# Allegro board BeagleBoard-xM.brd (continued)
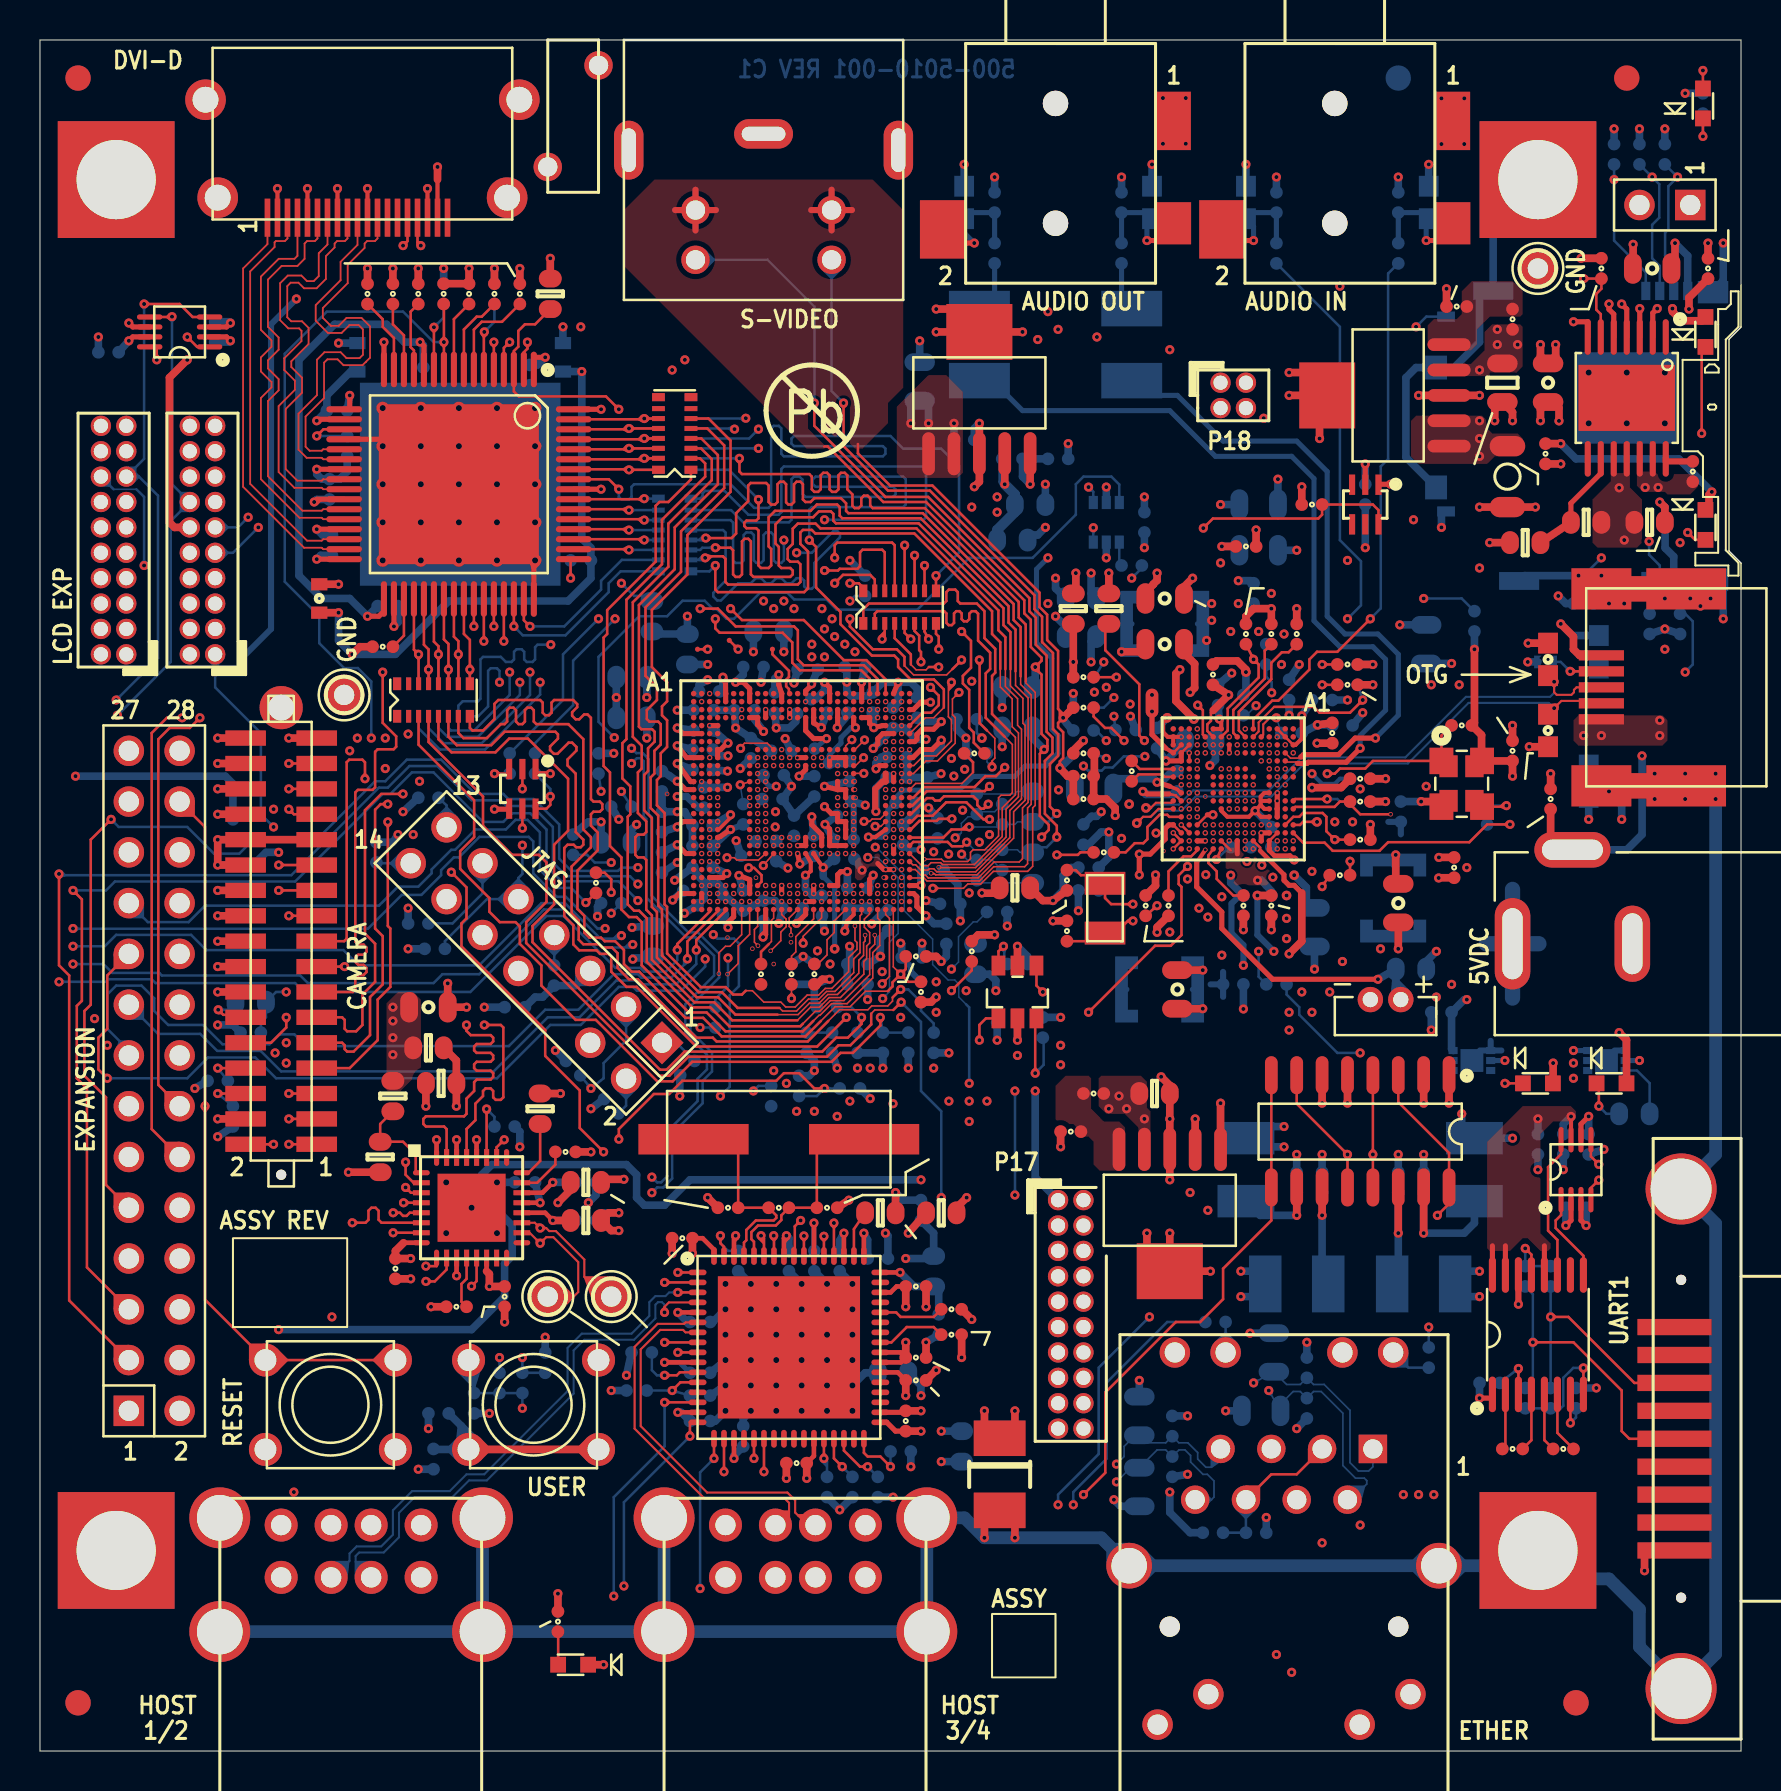
[diagram p0: board, top side]
## Routing (per net, layer and track width the routed paths; a pad name or vN(x,y) marks a point on that pad's centre or on a via; arc(x,y) is an arc through that point) (continued)
EN1_OC1: length 84.6
  TOP w0.127: 67.95,33.81 67.95,32.46 70.48,29.92 U13.16 70.48,27.38 v1(69.9,26.8) ; U15.14 v1(31.24,17.44)
  LYR3-SIG w0.127: v1(69.9,26.8) 67.82,26.8 67.31,26.29 67.31,25.53 68.2,24.64 68.2,21.84 69.72,20.32 v1(69.72,12.83)
  LYR4-SIG w0.127: v1(69.72,12.83) 64.41,7.52 61.49,7.52 57.53,3.56 36.2,3.56 32,7.75 v1(28.7,7.75)
  BOTTOM w0.127: v1(31.24,17.44) 31.24,15.24 28.7,12.7 v1(28.7,7.75)
EN2_OC2: length 79.1
  TOP w0.127: U13.13 v1(66.67,29.84) U13.4 ; U15.16 32.51,16.44 v1(32.51,15.75)
  LYR3-SIG w0.127: v1(66.67,29.84) 66.67,25.4 67.69,24.38 67.69,21.84 69.34,20.19 69.34,13.21 v1(68.96,12.83)
  LYR4-SIG w0.127: v1(68.96,12.83) 68.96,12.57 64.39,8 61.34,8 57.4,4.06 36.32,4.06 32.13,8.25 v1(29.21,8.25)
  BOTTOM w0.127: v1(29.21,8.25) 29.21,12.45 v1(32.51,15.75)
EN3_OC3: length 71.7
  TOP w0.127: U13.7 62.87,32.38 v1(65.41,29.84) U13.12 ; U15.17 v1(33.72,14.63)
  LYR3-SIG w0.127: v1(68.2,12.83) 68.96,13.59 68.96,20.07 67.18,21.84 67.18,24.13 65.41,25.91 v1(65.41,29.84)
  LYR4-SIG w0.127: v1(68.2,12.83) 68.2,12.32 64.39,8.51 55.75,8.51 54.99,7.75 42.93,7.75 42.04,6.86 34.29,6.86 v1(33.02,8.13)
  BOTTOM w0.127: v1(33.02,8.13) 33.02,13.94 v1(33.72,14.63)
EN4_OC4: length 47.2
  TOP w0.127: U15.18 v1(34.22,13.97) ; U13.8 U13.9 61.59,26.54 59.18,24.13 59.18,22.61 58.04,21.46 56.82,21.46 53.29,17.93 53.29,13.92 v1(52.2,12.83)
  LYR3-SIG w0.127: v1(34.22,13.97) 34.22,14.91 34.47,15.16 39.47,15.16 39.73,14.91 46.05,14.91 48.13,12.83 v1(52.2,12.83)
EXP_VDD: length 66.8
  TOP w0.127: v1(57.91,52.32) 58.17,52.07 58.17,50.85 U7.M2
  LYR3-SIG w0.127: v1(53.21,54.48) 56.01,54.48 57.11,53.38 57.11,52.74 57.53,52.32 v1(57.91,52.32)
  LYR4-SIG w0.076: 25.33,48.5 25.69,48.5 27.04,49.85 27.81,49.85 27.91,49.94 27.91,51.02 28.44,51.55 30.78,51.55 31.81,52.58 38.42,52.58 38.86,52.13 40.64,52.13 42.63,54.13
  LYR4-SIG w0.127: 42.63,54.13 43.5,54.99 44.39,54.99 44.68,54.7 45.38,54.7 45.87,55.19 52.5,55.19 v1(53.21,54.48) ; 25.33,48.5 24.74,48.5 24.55,48.31 24.55,47.96 24.3,47.71 23.96,47.71 23.49,48.18 19.3,48.18 19.08,47.96 18.72,47.96 18.35,48.32 17.97,48.32 17.53,47.88 17.27,47.88 16.81,47.42 16.81,46.63 16.19,46.01 11.9,46.01 v1(11.68,46.23)
  BOTTOM w0.127: C124.1 52.83,53.85 v1(53.21,54.48) ; P13.1 8.76,53.21 11.05,50.93 11.05,46.86 v1(11.68,46.23)
GPIO_15: length 37.2
  LYR3-SIG w0.076: 36.4,36.42 36.4,38.28 36.09,38.58 36.09,39.62 36.32,39.85 36.32,40.13 36.69,40.5 36.69,40.93 36.27,41.35 36.27,41.67 36.73,42.13 36.95,42.13 37.1,42.28 v2(37.1,42.5)
  LYR3-SIG w0.127: 36.4,36.42 36.4,35.17 35.78,34.55 35.78,33.65 36.16,33.27 36.16,31.17 37.1,30.23 40.89,30.23 41.53,30.86 44.66,30.86 45.55,29.97 47.03,29.97 47.77,30.71 48.97,30.71 49.38,30.3 49.66,30.3 49.78,30.43 49.78,30.58 49.91,30.71 50.16,30.71 50.29,30.58 50.29,28.96 49.4,28.07 49.4,27.74 49.07,27.41 49.07,27.03 49.4,26.7 49.4,24.64 50.29,23.75 P17.7
GPIO_16: length 37.1
  TOP w0.076: U4.AH12 37.1,41.84 37.33,41.62 37.33,41.24 37.06,40.97 37.06,40.54 v2(36.55,40.03)
  LYR3-SIG w0.076: 36.65,36.39 36.65,38.35 36.25,38.76 36.25,39.52 36.55,39.83 v2(36.55,40.03) ; 51.56,24.38 50.42,24.38
  LYR3-SIG w0.127: 50.42,24.38 49.78,25.02 49.78,27.97 50.93,29.11 50.93,29.72 50.62,30.02 50.62,30.96 50.39,31.19 47.89,31.19 46.93,30.23 45.66,30.23 44.77,31.12 41.42,31.12 40.79,30.48 37.21,30.48 36.41,31.28 36.41,33.38 36.03,33.76 36.03,34.44 36.65,35.06 36.65,36.39 ; P17.6 51.56,24.38
GPMC_WAIT0: length 1.5
  TOP w0.076: U4.M8 v1(35.03,48.34)
  BOTTOM w0.076: v1(35.03,48.34) R17.1
HDQ: length 53.8
  LYR3-SIG w0.076: P17.15 51.76,19.29 52.71,19.29 ; v1(46.61,53.52) 46.61,53.06 45.52,51.97 45.52,51.31 45.24,51.03 44.88,51.03 44.7,50.85 44.7,50.14 44.17,49.61 43,49.61 42.82,49.43 42.57,49.43 v2(42.3,49.7)
  LYR3-SIG w0.127: v1(52.74,52.97) 52.74,50.38 52.48,50.11 51.94,50.11 51.44,49.61 51.44,49.02 51.9,48.55 51.9,47.33 51.69,47.12 51.69,44.97 50.25,43.53 50.25,41.26 50.83,40.69 50.83,37.9 50.24,37.31 50.24,34.09 53.85,30.48 53.85,20.07 53.07,19.29 52.71,19.29
  LYR4-SIG w0.127: v1(52.74,52.97) 52.39,53.33 52.29,53.33 51.89,53.72 51.23,53.72 51.03,53.52 v1(46.61,53.52)
HFCLK_26MHZ: length 12.9
  TOP w0.127: v1(73.53,46.36) R56.2 71.5,45.47 67.44,45.47 67.01,45.03 64.67,45.03 64.26,45.44 63.18,45.44 U7.A14
  BOTTOM w0.127: R56.2 v1(73.53,46.36)
HFCLK_OUT: length 31.9
  TOP w0.127: 52.71,44.96 52.04,44.96 51.92,44.83 v1(50.86,44.83)
  LYR3-SIG w0.076: 40.32,36.2 39.97,36.55 39.97,37.36 41.07,38.47 41.07,40.46 40.63,40.91 40.63,41.19 39.25,42.57 39.25,43.13 v2(39.09,43.28)
  LYR3-SIG w0.127: v1(48.9,34.8) 49.48,35.38 49.48,38.46 49.91,38.89 49.91,43.88 v1(50.86,44.83) ; 40.32,36.2 41.53,34.99 v1(41.53,34.16)
  LYR4-SIG w0.127: v1(41.53,34.16) 42.71,35.34 45.81,35.34 46.36,34.8 v1(48.9,34.8)
HFCLKOUT: length 4.5
  TOP w0.127: R47.2 54.31,44.96 54.76,45.42 55.19,45.42 55.4,45.62 55.4,46.23 56.01,46.84 56.39,46.84 56.49,46.73 U7.R12
HSMIC.M: length 6.5
  TOP w0.127: 64.9,54.36 v1(64.14,54.36)
  LYR2-GND w0.127: v1(64.14,54.36) 63.72,53.94 63.17,53.94 60.77,51.54 60.77,50.41 v3(60.69,50.33)
HSMIC.P: length 6.1
  TOP w0.127: 64.9,53.34 v1(64.14,53.34)
  LYR2-GND w0.127: v3(61.09,50.33) 61.04,50.39 61.04,51.45 63.28,53.69 63.79,53.69 v1(64.14,53.34)
HSOL: length 32.9
  TOP w0.076: 63.07,49.73 63.01,49.67 62.55,49.67 U7.B4
  TOP w0.254: v1(66.8,50.67) 65.79,50.67 64.96,49.85 63.2,49.85 63.08,49.73 63.07,49.73
  BOTTOM w0.254: C87.2 55.35,67.82 56.9,67.82 59.18,65.53 62.87,65.53 64.39,64.01 64.39,56.77 65.28,55.88 66.93,55.88 67.95,54.86 67.95,51.82 v1(66.8,50.67)
HSOR: length 39.4
  TOP w0.076: 62.91,49.4 62.83,49.48 62.35,49.48 U7.B5
  TOP w0.254: 62.91,49.4 63.37,49.4 63.44,49.47 65.34,49.47 v1(66.04,50.16)
  BOTTOM w0.254: C88.2 47.65,68.55 49.15,67.06 56.52,67.06 58.8,64.77 62.61,64.77 63.73,63.65 63.73,56.54 65.02,55.25 66.67,55.25 67.31,54.61 67.31,52.07 66.04,50.8 v1(66.04,50.16)
HSUSB_DN: length 28.6
  TOP w0.104: U7.T11 55.95,47.13 55.55,46.74 55.18,46.74 v4(54.86,46.42) ; D1.2 v1(75.74,52.17) 76.1,52.53 77.11,52.53 77.24,52.41 P1.2
  BOTTOM w0.104: v4(54.86,46.42) 55.18,46.74 55.58,46.74 55.88,47.04 57.1,47.04 57.81,47.75 61.59,47.75 63.25,49.4 68.43,49.4 71.46,52.43 75.48,52.43 v1(75.74,52.17)
HSUSB_DP: length 28.5
  TOP w0.104: v4(55.32,47.18) 55.56,47.18 55.82,47.44 56.59,47.44 U7.T10 ; D4.2 v1(75.74,53.49) 75.74,52.97 75.87,52.84 76.61,52.84 76.73,52.97 76.73,53.09 76.86,53.21 P1.3
  BOTTOM w0.104: v4(55.32,47.18) 55.59,47.18 55.75,47.35 56.97,47.35 57.68,48.06 61.47,48.06 63.12,49.71 68.3,49.71 71.33,52.74 75.54,52.74 75.74,52.94 v1(75.74,53.49)
HSUSB_ID: length 33.3
  TOP w0.127: P1.4 v1(76.54,54.01)
  LYR3-SIG w0.076: 54.99,46.86 54.99,46.86 55.05,46.8 55.69,46.8 56.02,47.13 v2(57.09,47.13)
  LYR3-SIG w0.127: 54.99,46.86 v4(54.48,47.37)
  LYR4-SIG w0.127: v1(76.54,54.01) 75.48,54.01 73.41,51.94 71.37,51.94 69.09,49.66 67.56,49.66 66.67,48.77 66.67,48.01 65.66,46.99 63.5,46.99 62.95,46.44 56.92,46.44 55.75,47.61 54.72,47.61 v4(54.48,47.37)
  BOTTOM w0.127: J1.2 76.07,54.48 v1(76.54,54.01) 77.81,54.01 D2.2
HTPLG: length 3.6
  TOP w0.127: U11.9 20.71,71.63 R86.1
HUB_3V3: length 75.9
  TOP w0.229: U15.39 43.07,19.44 C182.1 43.05,19.94 U15.40 ; U15.27 38.71,14.76 C185.1 ; U15.19 v1(34.72,14.63) ; C180.1 42.85,23.24 42.55,22.94 U15.46 ; U14.21 v1(25.02,27.43)
  TOP w0.254: C181.1 42.8,16 42.36,16.44 U15.33
  TOP w0.381: v1(43.31,22.23) C180.1 ; D14.2 v1(28.19,4.32) ; v1(25.91,27.43) 26.54,28.07 C169.1 ; C181.1 v1(44.07,16) ; C182.1 v1(43.31,20.45) ; L10.1 45.85,27.18 v1(46.36,27.69) ; R118.1 v1(46.1,19.68) ; C185.1 v1(38.35,13.64)
  LYR3-SIG w0.381: v1(11.94,44.96) 10.54,44.96 10.16,44.58 10.16,28.32 12.7,25.78 v1(12.7,12.95)
  LYR5-PWR w0.305: P15.12 57.71,19.94 ; P15.12 56.77,20.88 ; P15.12 55.83,19.94 ; P15.12 56.77,19 ; P15.18 69.49,2.84 ; P15.18 67.61,2.84 ; P15.18 68.55,3.79 ; P15.18 68.55,1.9 ; 65.15,19 P15.10 ; P15.10 65.15,20.88 ; P15.10 66.09,19.94 ; P15.10 64.21,19.94 ; 54.97,1.32 P15.15 ; P15.15 56.85,1.32 ; P15.15 55.91,2.26
  BOTTOM w0.381: v1(11.94,44.96) 11.3,44.96 R151.2 ; R129.1 v1(40.01,12.06) R128.1 ; R107.1 v1(43.56,14.22) ; C184.1 v1(45.09,14.48) ; 29.59,19.94 v1(29.34,18.8) ; v1(34.72,14.63) 34.72,14.78 C183.1 ; v1(27.43,27.43) 27.81,27.81 R99.2 ; C168.1 v1(25.02,27.43) ; R108.1 v1(42.67,12.7) ; R105.1 v1(28.57,18.03)
  vias: v1(53.47,32.13) v1(53.98,32.77) v1(54.36,32.13) v1(55.25,31.62)
HUB_3V3A: length 25.5
  TOP w0.229: U15.49 v1(41.21,25.91) ; U15.5 v1(31.91,21.94) ; C193.1 33.15,25.65 33.72,25.09 U15.64 ; U15.51 v1(40.21,25.91) ; U15.54 v1(38.71,26.42) ; v1(37.34,25.78) 37.22,25.66 U15.57 ; U15.10 v1(31.24,19.44)
  TOP w0.381: C193.1 v1(32.64,24.89) ; L10.2 v1(43.43,25.91)
  BOTTOM w0.254: v1(38.71,26.42) 38.71,25.04 C191.1 ; C195.1 31.99,19.44 v1(31.24,19.44)
  BOTTOM w0.381: C175.1 41.4,25.56 v1(41.21,25.91) ; R116.2 v1(59.31,17.02) ; C194.1 32.38,21.46 v1(31.91,21.94) ; C192.1 37.47,25.65 v1(37.34,25.78) ; R114.2 54.05,12.24 v1(53.72,12.57) ; R117.1 57.53,10.92 56.52,11.94 v1(56.52,12.95) ; R115.2 v1(60.53,20.9) ; C176.1 40.01,25.54 v1(40.21,25.91) ; R110.2 v1(54.99,18.54)
HUB_EXRES: length 2.3
  TOP w0.127: R63.2 40.71,26.11 U15.50
HUB_NTRST: length 2
  TOP w0.127: U15.28 v1(39.21,14.63)
  BOTTOM w0.127: v1(39.21,14.63) 39.37,14.48 R129.2
HUB_RESET: length 47.1
  LYR3-SIG w0.076: v2(35.5,47.3) 35.05,47.3 34.98,47.37 33.76,47.37 33.27,47.85 33.27,49.05 32.25,50.08 32.25,50.44 32.03,50.66 31.72,50.66 31.18,50.11 30.18,50.11 29.59,50.7 v1(28.73,50.7)
  BOTTOM w0.127: U18.3 53.99,63.36 53.59,63.75 52.2,63.75 51.82,63.37 51.82,61.85 49.66,59.69 46.48,59.69 43.89,57.1 39.85,57.1 39.34,57.61 37.73,57.61 37.38,57.95 36.02,57.95 34.71,56.64 34.34,56.64 33.86,57.12 33.67,57.12 33.25,57.54 32.14,57.54 31.37,56.77 29.97,56.77 27.94,54.74 27.94,51.49 v1(28.73,50.7)
HUB_TCK: length 3.1
  TOP w0.127: v1(42.55,14.22) 42.04,14.73 41.4,14.73 41.21,14.92 U15.32
  BOTTOM w0.127: v1(42.55,14.22) R107.2
HUB_TDI: length 2.8
  TOP w0.127: U15.30 40.21,15.03 41.02,14.22 v1(41.4,14.22)
  BOTTOM w0.127: v1(41.4,14.22) R108.2
HUB_TMS: length 2.3
  TOP w0.127: v1(40.13,14.22) 39.71,14.64 U15.29
  BOTTOM w0.127: v1(40.13,14.22) R128.2
HUB_VBUS: length 3.3
  TOP w0.127: v1(31.24,18.8) 31.86,18.8 32,18.94 U15.11
  BOTTOM w0.127: v1(31.24,18.8) 30.86,18.8 30.61,19.05 R101.2
I2C1_SCL: length 31.4
  TOP w0.076: v1(41.2,49.7) 40.8,49.3 U4.K21
  LYR3-SIG w0.076: 61.21,51.66 61.21,51.82 61.61,52.21 61.61,52.48
  LYR3-SIG w0.127: v1(61.61,52.94) 61.61,52.48 ; 61.21,51.66 61.21,49.81 v2(61.49,49.53)
  LYR4-SIG w0.076: v1(41.2,49.7) 41.52,49.7 41.61,49.79 41.83,49.79 42.05,50 42.05,50.31 41.28,51.08 41.28,51.44 41.66,51.82 43.31,51.82 44.33,52.84 45.14,52.84 45.4,52.58 46.41,52.58 ; v1(61.61,52.94) 61.59,52.96
  LYR4-SIG w0.127: 61.59,52.96 61.09,53.47 54.8,53.47 54.14,52.81 54.14,52.53 53.89,52.29 52.64,52.29 52.2,52.73 52.2,53.01 51.88,53.33 51.35,53.33 50.89,52.87 46.7,52.87 46.41,52.58
  BOTTOM w0.076: 61.61,52.96 v1(61.61,52.94)
  BOTTOM w0.127: 61.61,52.96 61.61,53.47 61.34,53.74 R19.2
I2C1_SDA: length 38.5
  LYR3-SIG w0.076: v2(61.49,49.93) 61.48,49.94 61.48,51.84 61.86,52.22 ; 41.23,54.13 41.23,53.94 41.48,53.7 41.48,51.89 41.28,51.69 40.68,51.69 40.42,51.44 40.42,50.93 40.24,50.75 40.24,50.16 v2(40.7,49.7)
  LYR3-SIG w0.127: v1(62.1,54.36) 62.1,52.46 61.86,52.22 ; 41.23,54.13 41.23,54.5 41.44,54.71 41.44,56.9 40.81,57.53 v1(40.51,57.53)
  LYR4-SIG w0.127: v1(62.1,54.36) 61.34,55.12 60.28,55.12 59.79,54.62 57.77,54.62 56.81,55.59 45.72,55.59 44.41,56.9 41.14,56.9 v1(40.51,57.53)
  BOTTOM w0.127: v1(40.51,57.53) 40.77,57.79 R20.2
I2C2_SCL: length 57.2
  TOP w0.127: P10.8 v1(8.89,34.16)
  LYR2-GND w0.076: v2(37.57,40.46) 38.25,41.15 38.25,41.35 38.56,41.66 38.56,42.64 v3(38.3,42.9)
  LYR3-SIG w0.076: v2(37.57,40.46) 37.57,39.55 38.61,38.51 38.61,36.96 38.48,36.83 38.48,36.2
  LYR3-SIG w0.127: v1(37.85,32) 38.06,32.22 38.06,34.32 38.48,34.73 38.48,36.2 ; v1(8.89,34.16) 8.38,34.67 8.38,38.16 8,38.54 8,43.94 6.98,44.96
  LYR4-SIG w0.127: v1(8.89,34.16) 10.58,32.47 12.99,32.47 13.47,32.96 18.1,32.96 18.72,33.58 27.85,33.58 28.07,33.36 28.07,32.8 28.64,32.23 31.29,32.23 31.75,31.78 37.62,31.78 v1(37.85,32)
  BOTTOM w0.127: v1(8.89,34.16) R155.2
I2C2_SDA: length 62.2
  TOP w0.127: P10.6 v1(8.89,32.89)
  LYR3-SIG w0.076: 39.24,36.2 39.24,37.59 39.89,38.24 39.89,39.52 39.68,39.74 39.56,39.74 39.36,39.94 39.36,40.32 38.71,40.97 38.71,42.65 38.3,43.06 v2(38.3,43.3)
  LYR3-SIG w0.127: v1(8.89,32.89) 8,33.78 8,37.85 7.24,38.61 6.64,38.61 5.91,39.34 5.91,41.15 5.46,41.59 5.46,42.93 4.45,43.94 4.45,44.96 ; 39.24,36.2 39.24,35.94 39.46,35.73 39.46,33.91 39.88,33.49 v1(39.88,31.75)
  LYR4-SIG w0.127: v1(39.88,31.75) 39.4,31.27 31.24,31.27 30.89,31.62 24.64,31.62 23.11,33.15 18.8,33.15 18.16,32.51 13.67,32.51 13.2,32.04 10.25,32.04 9.4,32.89 v1(8.89,32.89)
  BOTTOM w0.127: R160.2 v1(8.89,32.89)
I2C3_SCL: length 90.3
  TOP w0.127: v1(6.6,71.75) 6.59,71.74 U12.5
  LYR3-SIG w0.076: 38.73,36.2 38.73,36.7 38.81,36.78 38.81,38.6 38.02,39.38 37.81,39.6 37.81,40.58 38.23,41 38.23,42.57 v2(37.9,42.9)
  LYR3-SIG w0.127: 38.73,36.2 38.73,34.63 38.32,34.21 38.32,32.42 v1(38.73,32) ; v1(3.87,51.82) 2.73,50.67 2.73,41.59 3.11,41.21 3.11,39.12 3.37,38.86 v1(3.37,35.31)
  LYR4-SIG w0.127: v1(38.73,32) 38.32,32.42 36.32,32.42 35.93,32.03 32,32.03 31.44,32.59 28.79,32.59 28.37,33.02 28.37,33.51 28.03,33.85 18.48,33.85 18.03,33.4 10.29,33.4 7.85,35.84 3.9,35.84 v1(3.37,35.31)
  BOTTOM w0.127: v1(6.6,71.75) 6.6,63.37 P13.14 6.54,61.53 6.54,54.48 v1(3.87,51.82)
I2C3_SDA: length 89.4
  TOP w0.127: U12.4 7.64,71.74 6.98,72.39 v1(5.21,72.39)
  LYR3-SIG w0.076: v2(37.9,42.5) 37.9,41.98 37.48,41.55 37.48,41.11 37.15,40.78 37.15,39.37 38.2,38.32 38.2,37.19 37.97,36.96 37.97,36.2
  LYR3-SIG w0.127: v1(2.73,36.64) 2.73,41.08 2.35,41.47 2.35,51.12 v1(3.81,52.58) ; 37.97,36.2 37.97,34.95 37.55,34.53 37.55,33.62 v1(37.34,33.4)
  LYR4-SIG w0.127: v1(2.73,36.64) 3.07,36.3 7.99,36.3 10.44,33.85 17.97,33.85 18.26,34.14 28.04,34.14 28.83,34.92 29.46,34.92 30.28,34.11 35.92,34.11 36.63,33.4 v1(37.34,33.4)
  BOTTOM w0.127: v1(3.81,52.58) 5.91,54.67 5.91,62.8 4.95,63.75 P11.15 5.21,64.64 v1(5.21,72.39)
I2C4_SCL: length 46.6
  LYR3-SIG w0.076: v1(45.59,39.12) 45.59,39.88 44.36,41.11 44.04,41.11 43.26,41.89 43.26,43.14 v2(42.7,43.7)
  LYR3-SIG w0.102: v2(61.49,49.13) 62.06,49.71 62.28,49.71
  LYR3-SIG w0.127: 62.28,49.71 64.47,49.71 65.41,48.77 66.04,48.77 66.55,48.26 66.55,47.35 66.13,46.93 66.13,45.84 66.75,45.22 66.75,42.15 66.75,41.83 65.15,40.23 v1(65.15,39.5)
  LYR4-SIG w0.127: v1(45.59,39.12) 46.25,38.46 52.22,38.46 53.37,37.31 57.75,37.31 57.99,37.55 60.97,37.55 61.9,38.48 63.75,38.48 64.77,39.5 v1(65.15,39.5)
  BOTTOM w0.076: v1(45.59,39.12) 45.95,39.47 45.95,40.74 46.69,41.48 46.88,41.48 R18.2
I2C4_SDA: length 46
  TOP w0.127: R21.2 46.61,39.05 v1(45.59,38.04)
  LYR3-SIG w0.076: v2(61.89,49.93) 61.92,49.96 64.59,49.96 ; v1(45.59,38.04) 45.31,38.32 45.31,38.69 44.63,39.37 44.63,40.46 44.2,40.89 43.94,40.89 43.05,41.78 43.05,42.95 v2(42.7,43.3)
  LYR3-SIG w0.127: v1(64.52,37.97) 64.52,38.23 65.66,39.37 65.66,40.2 67.08,41.62 67.08,46.8 66.89,46.99 66.89,48.43 66.17,49.15 65.41,49.15 64.59,49.96
  LYR4-SIG w0.127: v1(45.59,38.04) 46.42,37.21 51.25,37.21 52.06,36.4 60.66,36.4 61.68,37.43 63.97,37.43 v1(64.52,37.97)
ID_0: length 8.3
  LYR3-SIG w0.076: 29.65,43.8 30.1,43.8 30.71,43.19 31.97,43.19 32.23,43.46 32.89,43.46 33.27,43.84 33.27,44.27 33.5,44.5 v2(33.5,44.5)
  LYR3-SIG w0.127: v1(28.57,44.45) 29.22,43.8 29.65,43.8
  BOTTOM w0.127: v1(28.57,44.45) 27.75,44.45 27.37,44.83 R23.1
ID_1: length 7.7
  LYR3-SIG w0.076: v2(33.9,44.5) 33.9,44.49 33.5,44.1 33.5,43.34 32.44,42.28 32.08,42.28 31.79,41.99 31.34,41.99 31.2,42.13 30.76,42.13
  LYR3-SIG w0.127: 30.76,42.13 28.79,42.13 v1(28.57,41.91)
  BOTTOM w0.127: R22.1 v1(28.57,41.91)
ID_2: length 8.2
  LYR3-SIG w0.076: v2(33.9,44.9) 34.13,45.13 34.13,45.46 33.73,45.86 33.73,46.28 32.26,47.75 32.26,47.94 32.08,48.12 31.56,48.12
  LYR3-SIG w0.127: 31.56,48.12 31.42,48.26 30.61,48.26 30.35,48.01 v1(29.08,48.01)
  BOTTOM w0.127: v1(29.08,48.01) R137.1
INTER_HSOL: length 2.8
  BOTTOM w0.254: C87.1 54.1,72.16 54.1,74.42
INTER_HSOR: length 3
  BOTTOM w0.254: 47.75,74.42 47.75,72.16 C88.1
ISEL: length 3.5
  TOP w0.127: U11.13 18.71,70.07 18.54,70.23 18.54,72.01 R91.2
JTAG_EMU0: length 19.7
  TOP w0.076: v1(36.18,44.3) U4.AA11
  LYR4-SIG w0.076: 30.76,45.22 31.25,45.72 33.28,45.72 33.91,45.09 35.39,45.09 v1(36.18,44.3)
  LYR4-SIG w0.127: P3.13 20.55,46 23.7,46 23.96,45.75 24.96,45.75 25.78,44.92 30.45,44.92 30.76,45.22
  BOTTOM w0.127: P3.13 20.34,47.31 R25.2
JTAG_EMU1: length 21.8
  TOP w0.076: U4.AA10 35.94,44.58 34.85,44.58 34.73,44.69 v1(34.37,44.69)
  LYR4-SIG w0.076: v1(34.37,44.69) 33.92,44.69 33.15,45.47 32.52,45.47 32.03,44.97 30.96,44.97 30.76,44.77
  LYR4-SIG w0.127: 30.76,44.77 30.61,44.62 29.69,44.62 29.11,44.03 28.21,44.03 27.62,44.62 25.49,44.62 25.21,44.89 23.94,44.89 23.15,45.68 21.36,45.68 20.76,45.09 19.21,45.09 P3.14
  BOTTOM w0.127: R24.2 16.86,44.41 P3.14
JTAG_NTRST: length 28.7
  LYR3-SIG w0.076: 39.53,36.2 39.53,37.56 40.13,38.16 40.13,40.34 39.67,40.79 39.67,41.12 38.87,41.92 38.87,42.8 38.55,43.12 38.55,43.56 38.81,43.82 39.33,43.82 39.58,44.07 39.58,44.42 v2(39.1,44.9)
  LYR3-SIG w0.127: 39.53,36.2 39.53,36.07 40.36,35.24 40.36,33.91 40.51,33.76 v1(40.51,32.51)
  LYR4-SIG w0.127: P3.2 32.17,33.64 33.53,32.28 35.71,32.28 36.11,32.68 38.65,32.68 38.86,32.47 39.57,32.47 39.86,32.77 40.26,32.77 v1(40.51,32.51)
  BOTTOM w0.127: P3.2 29.32,32.28 R31.1
JTAG_RTCK: length 25.2
  LYR3-SIG w0.076: v2(37.1,44.9) 36.87,44.67 35.8,44.67 35.66,44.81 35.33,44.81 34.96,45.17 34.67,45.17 34.46,45.39 34.46,45.67 34.12,46 34.12,46.31 32.7,47.74 32.7,48.55 32.22,49.03 31.72,49.03 31.55,49.21 31.43,49.21
  LYR3-SIG w0.127: 31.43,49.21 30.47,49.21 29.97,48.7 27.62,48.7 27.11,48.2 27.11,47.96 24.47,45.31 v1(24.13,45.31)
  BOTTOM w0.127: v1(24.13,45.31) 24.13,43.88 23.93,43.68 P3.9 22.36,42.62 20.26,40.51 R27.2
JTAG_TCK: length 25.6
  LYR3-SIG w0.076: 31.5,48.88 32.08,48.88 32.51,48.45 32.51,47.71 33.93,46.29 33.93,45.92 34.29,45.57 34.29,45.29 34.62,44.96 34.8,44.96 35.2,44.55 35.61,44.55 35.81,44.35 35.81,44.14 36.03,43.93 36.33,43.93 36.75,44.35 36.95,44.35 v2(37.5,44.9)
  LYR3-SIG w0.127: 31.5,48.88 30.53,48.88 30.1,48.45 27.81,48.45 27.5,48.13 27.5,47.82 24.45,44.77 23.4,44.77 23.05,44.41 P3.11
  BOTTOM w0.127: P3.11 22.13,42.9 20.64,41.4 R26.1
JTAG_TDI: length 42.3
  LYR3-SIG w0.076: v1(41.78,45.21) 41.2,45.21 40.97,44.98 40.97,44.83 40.79,44.65 40.54,44.65 v2(40.3,44.9)
  LYR4-SIG w0.127: v1(46.48,33.4) 45.09,33.4 44.7,33.02 42.67,33.02 41.74,32.09 40.3,32.09 40.13,32.26 39.71,32.26 38.98,31.52 31.47,31.52 31.09,31.9 28.42,31.9 27.56,32.77 v1(27.56,33.15)
  BOTTOM w0.076: 46.32,37.36 45.96,37.72 45.96,38.37 45.76,38.57 45.43,38.57 44.65,39.34 44.65,40.61 43.23,42.04 43.23,43.81 41.83,45.21 v1(41.78,45.21)
  BOTTOM w0.127: v1(46.48,33.4) 46.48,37.2 46.32,37.36 ; P3.3 29.32,35.54 28.19,34.42 28.19,33.66 v1(27.56,33.15) R29.2
JTAG_TDO: length 32.4
  LYR3-SIG w0.076: v1(41.41,44.71) 41.12,44.71 40.87,44.45 40.35,44.45 v2(39.9,44.9)
  LYR4-SIG w0.076: v1(42.15,37.64) 41.56,38.24 39.29,38.24 38.99,38.54 38.99,39.45 39.37,39.83 39.37,40.18 38.77,40.79 37.97,40.79 37.38,40.2 34.38,40.2 33.17,38.99
  LYR4-SIG w0.127: 33.17,38.99 28.96,38.99 27.12,40.82 P3.7
  BOTTOM w0.076: v1(41.41,44.71) 41.91,44.71 42.93,43.69 42.93,40.89 42.49,40.46 42.49,37.98 v1(42.15,37.64)
  BOTTOM w0.127: P3.7 25.73,39.32 R28.1
JTAG_TMS: length 26.1
  LYR3-SIG w0.076: v2(39.5,44.9) 39.78,44.62 39.78,44.02 39.42,43.67 38.88,43.67 38.71,43.49 38.71,43.18 39.09,42.8 39.09,42.11 39.88,41.32 39.88,40.87 40.11,40.65 40.63,40.65 40.65,40.63 40.87,40.41 40.87,38.58 39.75,37.46 39.75,36.3 39.86,36.2
  LYR3-SIG w0.127: 39.86,36.2 40.89,35.16 v1(40.89,34.16)
  LYR4-SIG w0.127: v1(40.89,34.16) 40.26,34.8 32.7,34.8 32.07,35.43 P3.1
  BOTTOM w0.127: R30.2 31.83,35.43 P3.1
LED0_GPIO150: length 16
  TOP w0.127: Q1.2 v1(24.13,48.13)
  LYR3-SIG w0.076: 29.27,49.78 29.84,49.78 29.98,49.92 32.14,49.92 33.08,48.98 33.08,47.82 33.69,47.21 34.71,47.21 35.5,46.42 v2(35.5,45.7)
  LYR3-SIG w0.127: 29.27,49.78 28.99,49.5 26.7,49.5 25.34,48.13 v1(24.13,48.13)
LED1_GPIO149: length 17.3
  TOP w0.127: v1(24.13,46.16) Q1.5
  LYR3-SIG w0.076: v2(35.9,44.9) 35.74,45.06 35.48,45.06 35.19,45.35 35.19,45.99 34.71,46.47 34.19,46.47 32.89,47.76 32.89,48.91 32.03,49.77 31.69,49.77 31.57,49.66 31.37,49.66
  LYR3-SIG w0.127: 31.37,49.66 30.53,49.66 29.83,48.96 27.43,48.96 24.64,46.16 v1(24.13,46.16)
MCBSP1_CLKR: length 52.8
  LYR3-SIG w0.076: v2(40.7,45.3) 39.67,46.32 39.67,47.33 39.4,47.61 39.1,47.61 38.71,48.01 38.71,48.88 38.4,49.19 38.4,49.73 37.8,50.33 37.8,51.05 37.03,51.82 33.53,51.82 31.88,53.47 28.45,53.47
  LYR3-SIG w0.127: 28.45,53.47 26.73,51.75 17.99,51.75 17.67,51.44 15.28,51.44 13.76,49.91 10.86,49.91 9.59,51.18 8.7,51.18 7.99,50.47 7.99,49.64 7.11,48.77 6.6,48.77 5.92,48.08 5.92,46.49 5.46,46.04 5.46,43.94 5.97,43.43 5.97,41.91 6.98,40.89 P9.20
MCBSP1_CLKX: length 61.1
  TOP w0.127: v1(8,51.69) 7.49,51.18 6.48,51.18 5.92,50.62 5.92,33.32 P9.14
  LYR3-SIG w0.076: v2(40.7,45.7) 39.85,46.54 39.85,47.4 39.45,47.8 39.18,47.8 38.87,48.11 38.87,48.93 38.58,49.23 38.58,49.77 37.95,50.4 37.95,51.16 37.05,52.07 33.66,52.07 32,53.72 28.19,53.72
  LYR3-SIG w0.127: 28.19,53.72 26.56,52.08 17.85,52.08 17.53,51.77 15.14,51.77 13.62,50.24 11.04,50.24 9.59,51.69 v1(8,51.69)
MCBSP1_DR: length 59.3
  LYR3-SIG w0.076: v2(40.7,46.49) 40.21,46.99 40.21,47.55 39.83,47.93 39.83,48.41 38.94,49.3 38.94,49.84 38.26,50.52 38.26,51.4 37.08,52.58 33.9,52.58 32.25,54.23 27.69,54.23
  LYR3-SIG w0.127: P9.18 5.59,38.73 5.59,40.51 4.95,41.15 4.19,41.15 3.43,41.91 3.43,45.59 4.06,46.23 4.76,46.23 5.59,47.05 5.59,48.77 5.91,49.09 5.91,51.24 7.24,52.58 9.96,52.58 11.73,54.36 15.09,54.36 15.29,54.15 15.82,54.15 17.31,52.67 26.12,52.67 27.69,54.23
MCBSP1_DX: length 64.3
  TOP w0.127: P9.12 5.59,31.12 5.59,50.93 6.35,51.69 v1(7.11,51.69)
  LYR3-SIG w0.076: v2(40.7,46.1) 40.03,46.77 40.03,47.47 39.61,47.89 39.61,48.41 38.76,49.26 38.76,49.8 38.11,50.46 38.11,51.28 37.06,52.32 33.78,52.32 32.13,53.98 27.94,53.98
  LYR3-SIG w0.127: v1(7.11,51.69) 7.56,52.13 9.99,52.13 11.9,54.04 14.96,54.04 15.15,53.85 15.67,53.85 17.11,52.41 26.38,52.41 27.94,53.98
MCBSP1_FSR: length 49.4
  LYR3-SIG w0.076: 28.7,53.21 31.75,53.21 33.4,51.56 37.02,51.56 37.65,50.93 37.65,50.27 38.23,49.69 38.23,49.15 38.53,48.85 38.53,47.4 38.98,46.95 38.98,46.59 38.9,46.51 38.9,46.17 39.14,45.92 39.67,45.92 v2(40.7,44.91)
  LYR3-SIG w0.127: 28.7,53.21 26.91,51.42 18.12,51.42 17.81,51.1 15.42,51.1 13.26,48.95 11.32,48.95 10.22,50.04 8.83,50.04 8.32,49.53 8.32,47.05 7.49,46.23 6.6,46.23 5.97,45.59 5.97,44.45 6.98,43.43 P9.22
MCBSP1_FSX: length 72
  LYR2-GND w0.076: v3(42.7,49.3) 42.53,49.47 42,49.47 v2(41.81,49.66)
  LYR3-SIG w0.076: 40.48,54.13 40.31,53.96 40.15,53.96 39.99,53.8 39.99,53.1 40.27,52.82 40.27,51.04 40.03,50.8 40.03,49.83 40.54,49.33 41.48,49.33 v2(41.81,49.66)
  LYR3-SIG w0.127: 40.48,54.13 40.5,54.13 41.19,54.82 41.19,56.56 40.68,57.07 40.63,57.11 40.11,57.11 39.31,57.91 38.91,57.91 38.56,58.25 35.52,58.25 35.1,57.84 32.44,57.84 29.53,54.93 26.29,54.93 26.1,54.74 23.18,54.74 21.62,53.17 18.64,53.17 16.54,55.28 11.67,55.28 9.86,53.47 6.35,53.47 3.11,50.23 3.11,41.72 3.49,41.34 3.49,39.24 4,38.73 4.7,38.73 5.71,37.72 5.71,36.07 P9.16
MCBSP2_CLKX: length 55.9
  LYR3-SIG w0.076: 59.07,52.82 59.07,52.11 59.39,51.79 59.39,51.46 58.69,50.77 v2(58.69,50.33) ; v2(40.77,48.1) 40.44,48.43 40.44,48.56 39.47,49.53 39.47,49.96 38.71,50.71 38.71,51.92 38.19,52.44 38.19,54.13
  LYR3-SIG w0.127: 38.19,54.13 38.19,55.92 37.21,56.9 v1(37.21,57.53) ; 59.07,52.82 59.07,53.1 58.77,53.55 58.74,53.66 58.74,54.29 59.56,55.11 v1(59.56,56.01) 59.03,56.54 59.03,57.68 58.61,58.1 58.61,65.47 P18.4
  LYR4-SIG w0.127: v1(59.56,56.01) 59.56,56.45 59.03,56.98 51.73,56.98 50.85,57.86 47.07,57.86 46.91,57.71 43.87,57.71 41.14,60.44 39.44,60.44 39,60 39,60 37.21,58.21 v1(37.21,57.53)
MCBSP2_DR: length 63
  LYR3-SIG w0.076: v2(40.7,47.3) 40.03,47.97 40.03,48.46 39.12,49.38 39.12,49.88 38.41,50.59 38.41,51.57 36.44,53.54 36.44,54.13
  LYR3-SIG w0.127: 36.44,54.13 36.44,56.25 36.2,56.49 v1(36.2,57.53) ; v2(59.09,50.33) 58.98,50.44 58.98,50.8 59.56,51.39 59.56,52.1 60.05,52.58 60.05,53.06 61.13,54.14 61.13,55.41 61.38,55.66 61.38,56.52 61.13,56.77 61.13,57.44 v1(61.59,57.91) 61.59,61.21 60.96,61.85 60.96,66.42 v1(61.21,66.67)
  LYR4-SIG w0.127: v1(36.2,57.53) 36.2,58.93 38.34,61.07 41.41,61.07 44.13,58.36 46.55,58.36 47.28,59.09 50.98,59.09 51.31,58.76 51.31,58.42 52.07,57.66 56.13,57.66 56.64,58.17 59.56,58.17 59.82,57.91 v1(61.59,57.91) ; v1(61.21,66.67) 60.96,66.42 59.82,66.42 P18.3
